# KiCad board PIR Movement sensor board with easyC_panel.kicad_pcb (continued)
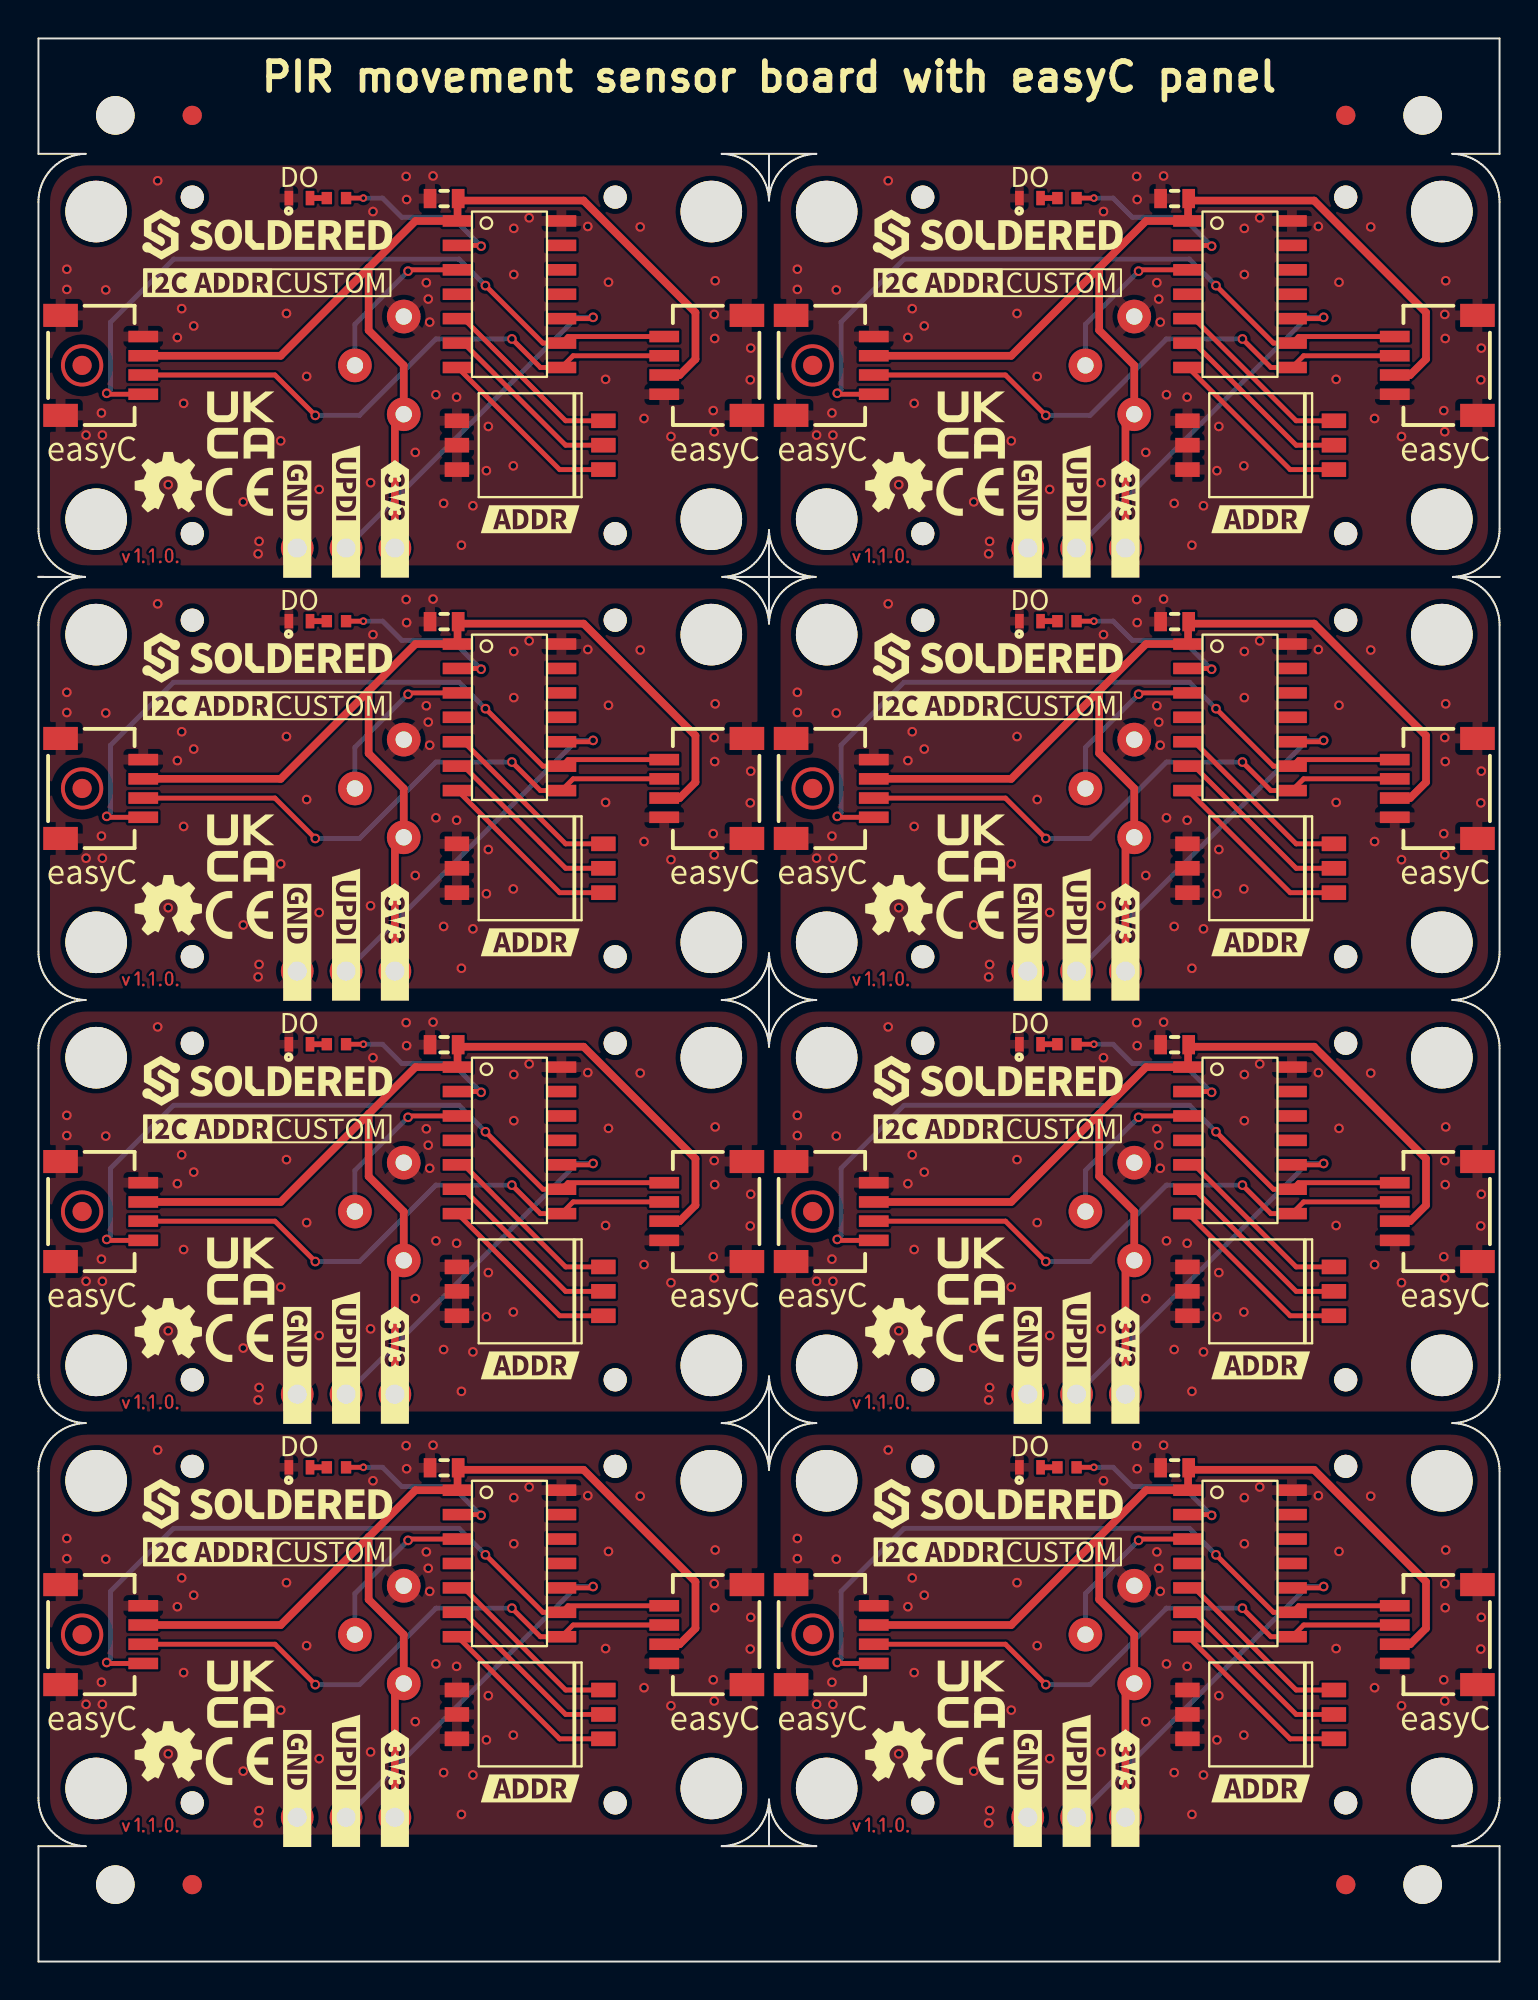
[diagram p0: board, top side]
## Placement (name value [footprint] x y rotation side) (continued)
REF**#32  Logo-Front-SolderedFULL-13mm  [Logo-Back-SolderedFULL-13mm]  43.3 83 270 top
REF**#33  -  [Fiducial]  68 96 0 top
REF**#34  -  [Logo-Front-UKCA-3.5mm]  48.53 57.9 0 top
REF**#35  Logo-Front-SolderedFULL-13mm  [Logo-Back-SolderedFULL-13mm]  5.3 39 270 top
REF**#36  -  [Logo-Front-CE-3.5mm]  10.45 32.43 0 top
REF**#37  Logo-Front-SolderedFULL-13mm  [Logo-Back-SolderedFULL-13mm]  5.3 83 270 top
REF**#38  Logo-Front-SolderedFULL-13mm  [Logo-Back-SolderedFULL-13mm]  43.3 39 270 top
REF**#39  -  [Fiducial]  8 96 0 top
REF**#40  -  [Logo-Front-CE-3.5mm]  10.45 10.42 0 top
REF**#41  -  [Fiducial]  68 4 0 bottom
REF**#42  -  [Fiducial]  8 96 0 bottom
REF**#43  Logo-Front-SolderedFULL-13mm  [Logo-Back-SolderedFULL-13mm]  11.9 89.8 180 bottom
REF**#44  Logo-Front-SolderedFULL-13mm  [Logo-Back-SolderedFULL-13mm]  11.9 23.8 180 bottom
REF**#45  Logo-Front-SolderedFULL-13mm  [Logo-Back-SolderedFULL-13mm]  11.9 45.8 180 bottom
REF**#46  Logo-Front-SolderedFULL-13mm  [Logo-Back-SolderedFULL-13mm]  11.9 67.8 180 bottom
REF**#47  Logo-Front-SolderedFULL-13mm  [Logo-Back-SolderedFULL-13mm]  49.9 67.8 180 bottom
REF**#48  -  [Fiducial]  8 4 0 bottom
REF**#49  Logo-Front-SolderedFULL-13mm  [Logo-Back-SolderedFULL-13mm]  49.9 23.8 180 bottom
REF**#50  Logo-Front-SolderedFULL-13mm  [Logo-Back-SolderedFULL-13mm]  49.9 89.8 180 bottom
REF**#51  -  [Fiducial]  68 96 0 bottom
REF**#52  Logo-Front-SolderedFULL-13mm  [Logo-Back-SolderedFULL-13mm]  49.9 45.8 180 bottom
U2  AM312  [PIR_senzor]  19 39 90 bottom
U2#2  AM312  [PIR_senzor]  57 39 90 bottom
U2#3  AM312  [PIR_senzor]  19 17 90 bottom
U2#4  AM312  [PIR_senzor]  57 83 90 bottom
U2#5  AM312  [PIR_senzor]  57 17 90 bottom
U2#6  AM312  [PIR_senzor]  57 61 90 bottom
U2#7  AM312  [PIR_senzor]  19 61 90 bottom
U2#8  AM312  [PIR_senzor]  19 83 90 bottom
U3  ATTINY404-SSNR  [SOIC-14]  62.5 20.7 0 top
U3#2  ATTINY404-SSNR  [SOIC-14]  62.5 86.7 0 top
U3#3  ATTINY404-SSNR  [SOIC-14]  24.5 42.7 0 top
U3#4  ATTINY404-SSNR  [SOIC-14]  62.5 42.7 0 top
U3#5  ATTINY404-SSNR  [SOIC-14]  24.5 86.7 0 top
U3#6  ATTINY404-SSNR  [SOIC-14]  62.5 64.7 0 top
U3#7  ATTINY404-SSNR  [SOIC-14]  24.5 64.7 0 top
U3#8  ATTINY404-SSNR  [SOIC-14]  24.5 20.7 0 top

## Library data of the parts
D1 D1#2-D1#8 = -: Package: 0402

## Footprints (pads in the part's own frame, mm; a bottom-side part is the same pattern mirrored in y, then rotated)
0402LED
  rect 0.45x0.75 smd: 1(0.55,0) 2(-0.55,0)
0402R
  rect 0.54x0.64 smd: 1(-0.5,0) 2(0.5,0)
0603C
  rect 0.66x1 smd: 1(-0.73,0) 2(0.73,0)
DSHP03TS-S
  rect 1.27x0.76 smd: 1(-3.81,1.27) 2(3.81,1.27) 3(-3.81,0) 4(3.81,0) 5(-3.81,-1.27) 6(3.81,-1.27)
easyC-connector
  rect 0.6x1.55 smd: 1(-1.5,-2.15) 2(-0.5,-2.15) 3(0.5,-2.15) 4(1.5,-2.15)
  rect 1.2x1.8 smd: 5(-2.6,2.15) 5(2.6,2.15)
Fiducial
  round 1 smd: (0,0)
FIDUCIAL_23
  round 1 smd: 1(0,0)
HEADER-UPDI
  round 1.7 hole 1: 1(-2.54,0) 2(0,0) 3(2.54,0)
HOLE_3.2mm
  round 3.2 hole 3.2 unplated: (0,0)
NPTH
  round 2 hole 2 unplated: (0,0)
PIR_senzor
  round 1.75 hole 0.85: 1(-2.54,0) 2(0,-2.54) 3(2.54,0)
PIR_senzor_kapica
  round 1.2 hole 1.2: (-8.75,-11) (-8.75,11) (8.75,-11) (8.75,11)
SOIC-14
  rect 1.55x0.6 smd: 1(-2.7,3.81) 2(-2.7,2.54) 3(-2.7,1.27) 4(-2.7,0) 5(-2.7,-1.27) 6(-2.7,-2.54) 7(-2.7,-3.81) 8(2.7,-3.81) 9(2.7,-2.54) 10(2.7,-1.27) 11(2.7,0) 12(2.7,1.27) 13(2.7,2.54) 14(2.7,3.81)

## Nets
Board_0-3V3: C3#7.1 K1#3.3 K2#2.1 K3#3.3 U2#8.1 U3#5.1
Board_0-ADD1: K4#8.1 U3#5.7
Board_0-ADD2: K4#8.3 U3#5.6
Board_0-ADD3: K4#8.5 U3#5.5
Board_0-D0: R1#7.1 U3#5.2
Board_0-GND: C3#7.2 D1#4.2 K1#3.4 K1#3.5 K2#2.3 K3#3.4 K3#3.5 K4#8.2 K4#8.4 K4#8.6 U2#8.3 U3#5.14
Board_0-Net-(D1-Pad1): D1#4.1 R1#7.2
Board_0-REL: U2#8.2 U3#5.3
Board_0-SCL: K1#3.1 K3#3.1 U3#5.9
Board_0-SDA: K1#3.2 K3#3.2 U3#5.8
Board_0-unconnected-(U3-Pad4): U3#5.4
Board_0-unconnected-(U3-Pad11): U3#5.11
Board_0-unconnected-(U3-Pad12): U3#5.12
Board_0-unconnected-(U3-Pad13): U3#5.13
Board_0-UPDI: K2#2.2 U3#5.10
Board_1-3V3: C3#8.1 K1#5.3 K2.1 K3#5.3 U2#4.1 U3#2.1
Board_1-ADD1: K4#5.1 U3#2.7
Board_1-ADD2: K4#5.3 U3#2.6
Board_1-ADD3: K4#5.5 U3#2.5
Board_1-D0: R1#6.1 U3#2.2
Board_1-GND: C3#8.2 D1#8.2 K1#5.4 K1#5.5 K2.3 K3#5.4 K3#5.5 K4#5.2 K4#5.4 K4#5.6 U2#4.3 U3#2.14
Board_1-Net-(D1-Pad1): D1#8.1 R1#6.2
Board_1-REL: U2#4.2 U3#2.3
Board_1-SCL: K1#5.1 K3#5.1 U3#2.9
Board_1-SDA: K1#5.2 K3#5.2 U3#2.8
Board_1-unconnected-(U3-Pad4): U3#2.4
Board_1-unconnected-(U3-Pad11): U3#2.11
Board_1-unconnected-(U3-Pad12): U3#2.12
Board_1-unconnected-(U3-Pad13): U3#2.13
Board_1-UPDI: K2.2 U3#2.10
Board_2-3V3: C3#4.1 K1#4.3 K2#3.1 K3#2.3 U2#7.1 U3#7.1
Board_2-ADD1: K4#4.1 U3#7.7
Board_2-ADD2: K4#4.3 U3#7.6
Board_2-ADD3: K4#4.5 U3#7.5
Board_2-D0: R1.1 U3#7.2
Board_2-GND: C3#4.2 D1#5.2 K1#4.4 K1#4.5 K2#3.3 K3#2.4 K3#2.5 K4#4.2 K4#4.4 K4#4.6 U2#7.3 U3#7.14
Board_2-Net-(D1-Pad1): D1#5.1 R1.2
Board_2-REL: U2#7.2 U3#7.3
Board_2-SCL: K1#4.1 K3#2.1 U3#7.9
Board_2-SDA: K1#4.2 K3#2.2 U3#7.8
Board_2-unconnected-(U3-Pad4): U3#7.4
Board_2-unconnected-(U3-Pad11): U3#7.11
Board_2-unconnected-(U3-Pad12): U3#7.12
Board_2-unconnected-(U3-Pad13): U3#7.13
Board_2-UPDI: K2#3.2 U3#7.10
Board_3-3V3: C3.1 K1#6.3 K2#5.1 K3#4.3 U2#6.1 U3#6.1
Board_3-ADD1: K4#2.1 U3#6.7
Board_3-ADD2: K4#2.3 U3#6.6
Board_3-ADD3: K4#2.5 U3#6.5
Board_3-D0: R1#8.1 U3#6.2
Board_3-GND: C3.2 D1#6.2 K1#6.4 K1#6.5 K2#5.3 K3#4.4 K3#4.5 K4#2.2 K4#2.4 K4#2.6 U2#6.3 U3#6.14
Board_3-Net-(D1-Pad1): D1#6.1 R1#8.2
Board_3-REL: U2#6.2 U3#6.3
Board_3-SCL: K1#6.1 K3#4.1 U3#6.9
Board_3-SDA: K1#6.2 K3#4.2 U3#6.8
Board_3-unconnected-(U3-Pad4): U3#6.4
Board_3-unconnected-(U3-Pad11): U3#6.11
Board_3-unconnected-(U3-Pad12): U3#6.12
Board_3-unconnected-(U3-Pad13): U3#6.13
Board_3-UPDI: K2#5.2 U3#6.10
Board_4-3V3: C3#3.1 K1#2.3 K2#4.1 K3#7.3 U2.1 U3#3.1
Board_4-ADD1: K4#6.1 U3#3.7
Board_4-ADD2: K4#6.3 U3#3.6
Board_4-ADD3: K4#6.5 U3#3.5
Board_4-D0: R1#2.1 U3#3.2
Board_4-GND: C3#3.2 D1#7.2 K1#2.4 K1#2.5 K2#4.3 K3#7.4 K3#7.5 K4#6.2 K4#6.4 K4#6.6 U2.3 U3#3.14
Board_4-Net-(D1-Pad1): D1#7.1 R1#2.2
Board_4-REL: U2.2 U3#3.3
Board_4-SCL: K1#2.1 K3#7.1 U3#3.9
Board_4-SDA: K1#2.2 K3#7.2 U3#3.8
Board_4-unconnected-(U3-Pad4): U3#3.4
Board_4-unconnected-(U3-Pad11): U3#3.11
Board_4-unconnected-(U3-Pad12): U3#3.12
Board_4-unconnected-(U3-Pad13): U3#3.13
Board_4-UPDI: K2#4.2 U3#3.10
Board_5-3V3: C3#2.1 K1#8.3 K2#6.1 K3#8.3 U2#2.1 U3#4.1
Board_5-ADD1: K4.1 U3#4.7
Board_5-ADD2: K4.3 U3#4.6
Board_5-ADD3: K4.5 U3#4.5
Board_5-D0: R1#3.1 U3#4.2
Board_5-GND: C3#2.2 D1.2 K1#8.4 K1#8.5 K2#6.3 K3#8.4 K3#8.5 K4.2 K4.4 K4.6 U2#2.3 U3#4.14
Board_5-Net-(D1-Pad1): D1.1 R1#3.2
Board_5-REL: U2#2.2 U3#4.3
Board_5-SCL: K1#8.1 K3#8.1 U3#4.9
Board_5-SDA: K1#8.2 K3#8.2 U3#4.8
Board_5-unconnected-(U3-Pad4): U3#4.4
Board_5-unconnected-(U3-Pad11): U3#4.11
Board_5-unconnected-(U3-Pad12): U3#4.12
Board_5-unconnected-(U3-Pad13): U3#4.13
Board_5-UPDI: K2#6.2 U3#4.10
Board_6-3V3: C3#6.1 K1.3 K2#7.1 K3#6.3 U2#3.1 U3#8.1
Board_6-ADD1: K4#3.1 U3#8.7
Board_6-ADD2: K4#3.3 U3#8.6
Board_6-ADD3: K4#3.5 U3#8.5
Board_6-D0: R1#4.1 U3#8.2
Board_6-GND: C3#6.2 D1#3.2 K1.4 K1.5 K2#7.3 K3#6.4 K3#6.5 K4#3.2 K4#3.4 K4#3.6 U2#3.3 U3#8.14
Board_6-Net-(D1-Pad1): D1#3.1 R1#4.2
Board_6-REL: U2#3.2 U3#8.3
Board_6-SCL: K1.1 K3#6.1 U3#8.9
Board_6-SDA: K1.2 K3#6.2 U3#8.8
Board_6-unconnected-(U3-Pad4): U3#8.4
Board_6-unconnected-(U3-Pad11): U3#8.11
Board_6-unconnected-(U3-Pad12): U3#8.12
Board_6-unconnected-(U3-Pad13): U3#8.13
Board_6-UPDI: K2#7.2 U3#8.10
Board_7-3V3: C3#5.1 K1#7.3 K2#8.1 K3.3 U2#5.1 U3.1
Board_7-ADD1: K4#7.1 U3.7
Board_7-ADD2: K4#7.3 U3.6
Board_7-ADD3: K4#7.5 U3.5
Board_7-D0: R1#5.1 U3.2
Board_7-GND: C3#5.2 D1#2.2 K1#7.4 K1#7.5 K2#8.3 K3.4 K3.5 K4#7.2 K4#7.4 K4#7.6 U2#5.3 U3.14
Board_7-Net-(D1-Pad1): D1#2.1 R1#5.2
Board_7-REL: U2#5.2 U3.3
Board_7-SCL: K1#7.1 K3.1 U3.9
Board_7-SDA: K1#7.2 K3.2 U3.8
Board_7-unconnected-(U3-Pad4): U3.4
Board_7-unconnected-(U3-Pad11): U3.11
Board_7-unconnected-(U3-Pad12): U3.12
Board_7-unconnected-(U3-Pad13): U3.13
Board_7-UPDI: K2#8.2 U3.10

Pads without a net: FD1 1; FD1#2 1; FD1#3 1; FD1#4 1; FD1#5 1; FD1#6 1; FD1#7 1; FD1#8 1

## Via types
v1: diameter 0.5, hole 0.3, Top to Bottom, 472 vias
v2: diameter 0.4, hole 0.2, Top to Bottom, 8 vias

## Routing (per net, layer and track width the routed paths; a pad name or vN(x,y) marks a point on that pad's centre or on a via; arc(x,y) is an arc through that point)
Board_0-3V3: length 55.1
  Top w0.4: 17.18,88.08 17.18,84.83 19,83 U2#8.1 18.54,80 K2#2.1 ; 17.18,88.08 19.61,90.51 U3#5.1 21.8,91.65 C3#7.1 21.94,91.57 28.36,91.57 34.18,85.75 34.18,83.33 33.35,82.5 K1#3.3 ; 17.18,88.08 12.6,83.5 K3#3.3
Board_0-ADD1: length 9.8
  Top w0.254: U3#5.7 27.11,77.58 K4#8.1
Board_0-ADD2: length 9.8
  Top w0.254: U3#5.6 22.11,84.16 27.42,78.85 K4#8.3
Board_0-ADD3: length 9.8
  Top w0.254: K4#8.5 27.42,80.12 22.11,85.43 U3#5.5
Board_0-D0: length 9.4
  Top w0.254: U3#5.2 22.99,89.24 v1(23.03,89.2) ; v2(16.9,91.7) R1#7.1
  Bottom w0.254: 23.13,89.3 v1(23.03,89.2) 21.53,90.7 18.9,90.7 17.9,91.7 v2(16.9,91.7)
Board_0-GND:
  vias: v1(1.48,88) v1(1.48,86.95) v1(2.48,79.38) v1(3.28,80.53) v1(3.33,79.38) v1(3.5,86.93) v1(6.2,92.6) v1(6.75,76.8) v1(7.23,84.45) v1(7.45,85.95) v1(7.55,81.03) v1(8.08,85.05) v1(10.65,75.9) v1(11.43,73.2) v1(11.48,73.85) v1(12.6,79.08) v1(12.9,85.7) v1(13.95,82.43) v1(14.6,76.55) v1(17.28,76.9) v1(17.4,91) v1(19.13,92.83) v1(19.15,91.63) v1(19.6,78.48) v1(20.18,87.3) v1(20.28,86.45) v1(20.35,85.25) v1(20.53,92.85) v1(20.68,81.48) v1(21.08,75.83) v1(21.75,81.35) v1(22,73.65) v1(22.6,75.7) v1(23.3,77.53) v1(23.4,79.83) v1(24.73,90.13) v1(24.73,87.73) v1(24.7,77.78) v1(25.53,90.68) v1(28.58,90.23) v1(29.5,82.28) v1(29.65,87.33) v1(31.3,90.2) v1(31.5,80.24) v1(32.9,79.3) v1(35.15,85.65) v1(35.1,80.65) v1(35.15,79.55) v1(35.2,87.4) v1(35.18,84.4) v1(37.05,83.9) v1(37.03,82.25)
Board_0-Net-(D1-Pad1): length 0.9
  Top w0.3: D1#4.1 R1#7.2
Board_0-REL: length 8.6
  Top w0.254: v1(19.23,87.9) 19.3,87.97 U3#5.3
  Bottom w0.254: v1(19.23,87.9) 16.46,85.14 U2#8.2
Board_0-SCL: length 37.8
  Top w0.254: K1#3.1 27.54,84.5 U3#5.9 26.24,84.16 v1(23.25,87.15) ; K3#3.1 3.6,81.5 v1(3.55,81.55)
  Bottom w0.254: v1(23.25,87.15) 21.88,88.53 7.03,88.53 3.75,85.25 3.75,81.75 v1(3.55,81.55)
Board_0-SDA: length 30.5
  Top w0.254: K1#3.2 27.81,83.5 U3#5.8 26.11,82.89 v1(24.63,84.38) ; v1(14.4,80.4) 12.3,82.5 K3#3.2
  Bottom w0.254: v1(24.63,84.38) 20.68,84.38 16.7,80.4 v1(14.4,80.4)
Board_0-UPDI: length 19.5
  Top w0.254: U3#5.10 28.78,85.43 v1(28.85,85.5)
  Bottom w0.254: v1(28.85,85.5) 28,85.5 K2#2.2
Board_1-3V3: length 55.1
  Top w0.4: K3#5.3 50.6,83.5 55.18,88.08 ; 55.18,88.08 55.18,84.83 57,83 U2#4.1 56.54,80 K2.1 ; 55.18,88.08 57.61,90.51 U3#2.1 59.8,91.65 C3#8.1 59.94,91.57 66.36,91.57 72.18,85.75 72.18,83.33 71.35,82.5 K1#5.3
Board_1-ADD1: length 9.8
  Top w0.254: U3#2.7 65.11,77.58 K4#5.1
Board_1-ADD2: length 9.8
  Top w0.254: U3#2.6 60.11,84.16 65.42,78.85 K4#5.3
Board_1-ADD3: length 9.8
  Top w0.254: U3#2.5 60.11,85.43 65.42,80.12 K4#5.5
Board_1-D0: length 9.4
  Top w0.254: v1(61.03,89.2) 60.99,89.24 U3#2.2 ; v2(54.9,91.7) R1#6.1
  Bottom w0.254: v2(54.9,91.7) 55.9,91.7 56.9,90.7 59.53,90.7 v1(61.03,89.2) 61.13,89.3
Board_1-GND:
  vias: v1(39.48,88) v1(39.48,86.95) v1(40.48,79.38) v1(41.28,80.53) v1(41.33,79.38) v1(41.5,86.93) v1(44.2,92.6) v1(44.75,76.8) v1(45.23,84.45) v1(45.45,85.95) v1(45.55,81.03) v1(46.08,85.05) v1(48.65,75.9) v1(49.43,73.2) v1(49.48,73.85) v1(50.6,79.08) v1(50.9,85.7) v1(51.95,82.43) v1(52.6,76.55) v1(55.28,76.9) v1(55.4,91) v1(57.13,92.83) v1(57.15,91.63) v1(57.6,78.48) v1(58.18,87.3) v1(58.28,86.45) v1(58.35,85.25) v1(58.53,92.85) v1(58.68,81.48) v1(59.08,75.83) v1(59.75,81.35) v1(60,73.65) v1(60.6,75.7) v1(61.3,77.53) v1(61.4,79.83) v1(62.73,90.13) v1(62.73,87.73) v1(62.7,77.78) v1(63.53,90.68) v1(66.58,90.23) v1(67.5,82.28) v1(67.65,87.33) v1(69.3,90.2) v1(69.5,80.24) v1(70.9,79.3) v1(73.1,80.65) v1(73.2,87.4) v1(73.15,85.65) v1(73.18,84.4) v1(73.15,79.55) v1(75.03,82.25) v1(75.05,83.9)
Board_1-Net-(D1-Pad1): length 0.9
  Top w0.3: D1#8.1 R1#6.2
Board_1-REL: length 8.6
  Top w0.254: U3#2.3 57.3,87.97 v1(57.23,87.9)
  Bottom w0.254: v1(57.23,87.9) 54.46,85.14 U2#4.2
Board_1-SCL: length 37.8
  Top w0.254: v1(41.55,81.55) 41.6,81.5 K3#5.1 ; K1#5.1 65.54,84.5 U3#2.9 64.24,84.16 v1(61.25,87.15)
  Bottom w0.254: v1(41.55,81.55) 41.75,81.75 41.75,85.25 45.03,88.53 59.88,88.53 v1(61.25,87.15)
Board_1-SDA: length 30.5
  Top w0.254: K3#5.2 50.3,82.5 v1(52.4,80.4) ; v1(62.63,84.38) 64.11,82.89 U3#2.8 65.81,83.5 K1#5.2
  Bottom w0.254: v1(52.4,80.4) 54.7,80.4 58.68,84.38 v1(62.63,84.38)
Board_1-UPDI: length 19.5
  Top w0.254: v1(66.85,85.5) 66.78,85.43 U3#2.10
  Bottom w0.254: v1(66.85,85.5) 66,85.5 K2.2
Board_2-3V3: length 55.1
  Top w0.4: 17.18,66.08 12.6,61.5 K3#2.3 ; 17.18,66.08 19.61,68.51 U3#7.1 21.8,69.65 C3#4.1 21.94,69.57 28.36,69.57 34.18,63.75 34.18,61.33 33.35,60.5 K1#4.3 ; 17.18,66.08 17.18,62.83 19,61 U2#7.1 18.54,58 K2#3.1
Board_2-ADD1: length 9.8
  Top w0.254: K4#4.1 27.11,55.58 U3#7.7
Board_2-ADD2: length 9.8
  Top w0.254: K4#4.3 27.42,56.85 22.11,62.16 U3#7.6
Board_2-ADD3: length 9.8
  Top w0.254: U3#7.5 22.11,63.43 27.42,58.12 K4#4.5
Board_2-D0: length 9.4
  Top w0.254: v1(23.03,67.2) 22.99,67.24 U3#7.2 ; v2(16.9,69.7) R1.1
  Bottom w0.254: 23.13,67.3 v1(23.03,67.2) 21.53,68.7 18.9,68.7 17.9,69.7 v2(16.9,69.7)
Board_2-GND:
  vias: v1(1.48,66) v1(1.48,64.95) v1(2.48,57.38) v1(3.28,58.53) v1(3.33,57.38) v1(3.5,64.93) v1(6.2,70.6) v1(6.75,54.8) v1(7.23,62.45) v1(7.45,63.95) v1(7.55,59.03) v1(8.08,63.05) v1(10.65,53.9) v1(11.43,51.2) v1(11.48,51.85) v1(12.6,57.08) v1(12.9,63.7) v1(13.95,60.43) v1(14.6,54.55) v1(17.28,54.9) v1(17.4,69) v1(19.13,70.83) v1(19.15,69.63) v1(19.6,56.48) v1(20.18,65.3) v1(20.28,64.45) v1(20.35,63.25) v1(20.53,70.85) v1(20.68,59.48) v1(21.08,53.83) v1(21.75,59.35) v1(22,51.65) v1(22.6,53.7) v1(23.3,55.53) v1(23.4,57.83) v1(24.73,68.13) v1(24.73,65.73) v1(24.7,55.78) v1(25.53,68.68) v1(28.58,68.23) v1(29.5,60.28) v1(29.65,65.33) v1(31.3,68.2) v1(31.5,58.24) v1(32.9,57.3) v1(35.15,63.65) v1(35.1,58.65) v1(35.15,57.55) v1(35.2,65.4) v1(35.18,62.4) v1(37.05,61.9) v1(37.03,60.25)
Board_2-Net-(D1-Pad1): length 0.9
  Top w0.3: D1#5.1 R1.2
Board_2-REL: length 8.6
  Top w0.254: U3#7.3 19.3,65.97 v1(19.23,65.9)
  Bottom w0.254: v1(19.23,65.9) 16.46,63.14 U2#7.2
Board_2-SCL: length 37.8
  Top w0.254: K3#2.1 3.6,59.5 v1(3.55,59.55) ; K1#4.1 27.54,62.5 U3#7.9 26.24,62.16 v1(23.25,65.15)
  Bottom w0.254: v1(3.55,59.55) 3.75,59.75 3.75,63.25 7.03,66.53 21.88,66.53 v1(23.25,65.15)
Board_2-SDA: length 30.5
  Top w0.254: v1(14.4,58.4) 12.3,60.5 K3#2.2 ; v1(24.63,62.38) 26.11,60.89 U3#7.8 27.81,61.5 K1#4.2
  Bottom w0.254: v1(24.63,62.38) 20.68,62.38 16.7,58.4 v1(14.4,58.4)
Board_2-UPDI: length 19.5
  Top w0.254: v1(28.85,63.5) 28.78,63.43 U3#7.10
  Bottom w0.254: v1(28.85,63.5) 28,63.5 K2#3.2
Board_3-3V3: length 55.1
  Top w0.4: 55.18,66.08 57.61,68.51 U3#6.1 59.8,69.65 C3.1 59.94,69.57 66.36,69.57 72.18,63.75 72.18,61.33 71.35,60.5 K1#6.3 ; 55.18,66.08 50.6,61.5 K3#4.3 ; 55.18,66.08 55.18,62.83 57,61 U2#6.1 56.54,58 K2#5.1
Board_3-ADD1: length 9.8
  Top w0.254: K4#2.1 65.11,55.58 U3#6.7
Board_3-ADD2: length 9.8
  Top w0.254: K4#2.3 65.42,56.85 60.11,62.16 U3#6.6
Board_3-ADD3: length 9.8
  Top w0.254: U3#6.5 60.11,63.43 65.42,58.12 K4#2.5
Board_3-D0: length 9.4
  Top w0.254: v2(54.9,69.7) R1#8.1 ; v1(61.03,67.2) 60.99,67.24 U3#6.2
  Bottom w0.254: 61.13,67.3 v1(61.03,67.2) 59.53,68.7 56.9,68.7 55.9,69.7 v2(54.9,69.7)
Board_3-GND:
  vias: v1(39.48,66) v1(39.48,64.95) v1(40.48,57.38) v1(41.28,58.53) v1(41.33,57.38) v1(41.5,64.93) v1(44.2,70.6) v1(44.75,54.8) v1(45.23,62.45) v1(45.45,63.95) v1(45.55,59.03) v1(46.08,63.05) v1(48.65,53.9) v1(49.43,51.2) v1(49.48,51.85) v1(50.6,57.08) v1(50.9,63.7) v1(51.95,60.43) v1(52.6,54.55) v1(55.28,54.9) v1(55.4,69) v1(57.13,70.83) v1(57.15,69.63) v1(57.6,56.48) v1(58.18,65.3) v1(58.28,64.45) v1(58.35,63.25) v1(58.53,70.85) v1(58.68,59.48) v1(59.08,53.83) v1(59.75,59.35) v1(60,51.65) v1(60.6,53.7) v1(61.3,55.53) v1(61.4,57.83) v1(62.73,68.13) v1(62.73,65.73) v1(62.7,55.78) v1(63.53,68.68) v1(66.58,68.23) v1(67.5,60.28) v1(67.65,65.33) v1(69.3,68.2) v1(69.5,58.24) v1(70.9,57.3) v1(73.1,58.65) v1(73.2,65.4) v1(73.15,63.65) v1(73.18,62.4) v1(73.15,57.55) v1(75.03,60.25) v1(75.05,61.9)
Board_3-Net-(D1-Pad1): length 0.9
  Top w0.3: D1#6.1 R1#8.2
Board_3-REL: length 8.6
  Top w0.254: U3#6.3 57.3,65.97 v1(57.23,65.9)
  Bottom w0.254: v1(57.23,65.9) 54.46,63.14 U2#6.2
Board_3-SCL: length 37.8
  Top w0.254: v1(41.55,59.55) 41.6,59.5 K3#4.1 ; v1(61.25,65.15) 64.24,62.16 U3#6.9 65.54,62.5 K1#6.1
  Bottom w0.254: v1(61.25,65.15) 59.88,66.53 45.03,66.53 41.75,63.25 41.75,59.75 v1(41.55,59.55)
Board_3-SDA: length 30.5
  Top w0.254: v1(62.63,62.38) 64.11,60.89 U3#6.8 65.81,61.5 K1#6.2 ; K3#4.2 50.3,60.5 v1(52.4,58.4)
  Bottom w0.254: v1(62.63,62.38) 58.68,62.38 54.7,58.4 v1(52.4,58.4)
Board_3-UPDI: length 19.5
  Top w0.254: U3#6.10 66.78,63.43 v1(66.85,63.5)
  Bottom w0.254: v1(66.85,63.5) 66,63.5 K2#5.2
Board_4-3V3: length 55.1
  Top w0.4: K3#7.3 12.6,39.5 17.18,44.08 ; 17.18,44.08 17.18,40.83 19,39 U2.1 18.54,36 K2#4.1 ; 17.18,44.08 19.61,46.51 U3#3.1 21.8,47.65 C3#3.1 21.94,47.57 28.36,47.57 34.18,41.75 34.18,39.33 33.35,38.5 K1#2.3
Board_4-ADD1: length 9.8
  Top w0.254: U3#3.7 27.11,33.58 K4#6.1
Board_4-ADD2: length 9.8
  Top w0.254: U3#3.6 22.11,40.16 27.42,34.85 K4#6.3
Board_4-ADD3: length 9.8
  Top w0.254: K4#6.5 27.42,36.12 22.11,41.43 U3#3.5
Board_4-D0: length 9.4
  Top w0.254: U3#3.2 22.99,45.24 v1(23.03,45.2) ; v2(16.9,47.7) R1#2.1
  Bottom w0.254: v2(16.9,47.7) 17.9,47.7 18.9,46.7 21.53,46.7 v1(23.03,45.2) 23.13,45.3
Board_4-GND:
  vias: v1(1.48,44) v1(1.48,42.95) v1(2.48,35.38) v1(3.28,36.53) v1(3.33,35.38) v1(3.5,42.93) v1(6.2,48.6) v1(6.75,32.8) v1(7.23,40.45) v1(7.45,41.95) v1(7.55,37.03) v1(8.08,41.05) v1(10.65,31.9) v1(11.43,29.2) v1(11.48,29.85) v1(12.6,35.08) v1(12.9,41.7) v1(13.95,38.43) v1(14.6,32.55) v1(17.28,32.9) v1(17.4,47) v1(19.13,48.83) v1(19.15,47.63) v1(19.6,34.48) v1(20.18,43.3) v1(20.28,42.45) v1(20.35,41.25) v1(20.53,48.85) v1(20.68,37.48) v1(21.08,31.83) v1(21.75,37.35) v1(22,29.65) v1(22.6,31.7) v1(23.3,33.53) v1(23.4,35.83) v1(24.73,46.13) v1(24.73,43.73) v1(24.7,33.78) v1(25.53,46.68) v1(28.58,46.23) v1(29.5,38.28) v1(29.65,43.33) v1(31.3,46.2) v1(31.5,36.24) v1(32.9,35.3) v1(35.15,41.65) v1(35.1,36.65) v1(35.15,35.55) v1(35.2,43.4) v1(35.18,40.4) v1(37.05,39.9) v1(37.03,38.25)
Board_4-Net-(D1-Pad1): length 0.9
  Top w0.3: D1#7.1 R1#2.2
Board_4-REL: length 8.6
  Top w0.254: v1(19.23,43.9) 19.3,43.97 U3#3.3
  Bottom w0.254: v1(19.23,43.9) 16.46,41.14 U2.2
Board_4-SCL: length 37.8
  Top w0.254: v1(3.55,37.55) 3.6,37.5 K3#7.1 ; K1#2.1 27.54,40.5 U3#3.9 26.24,40.16 v1(23.25,43.15)
  Bottom w0.254: v1(3.55,37.55) 3.75,37.75 3.75,41.25 7.03,44.53 21.88,44.53 v1(23.25,43.15)
Board_4-SDA: length 30.5
  Top w0.254: v1(14.4,36.4) 12.3,38.5 K3#7.2 ; K1#2.2 27.81,39.5 U3#3.8 26.11,38.89 v1(24.63,40.38)
  Bottom w0.254: v1(24.63,40.38) 20.68,40.38 16.7,36.4 v1(14.4,36.4)
Board_4-UPDI: length 19.5
  Top w0.254: U3#3.10 28.78,41.43 v1(28.85,41.5)
  Bottom w0.254: v1(28.85,41.5) 28,41.5 K2#4.2
Board_5-3V3: length 55.1
  Top w0.4: 55.18,44.08 50.6,39.5 K3#8.3 ; 55.18,44.08 57.61,46.51 U3#4.1 59.8,47.65 C3#2.1 59.94,47.57 66.36,47.57 72.18,41.75 72.18,39.33 71.35,38.5 K1#8.3 ; 55.18,44.08 55.18,40.83 57,39 U2#2.1 56.54,36 K2#6.1
Board_5-ADD1: length 9.8
  Top w0.254: U3#4.7 65.11,33.58 K4.1
Board_5-ADD2: length 9.8
  Top w0.254: U3#4.6 60.11,40.16 65.42,34.85 K4.3
Board_5-ADD3: length 9.8
  Top w0.254: K4.5 65.42,36.12 60.11,41.43 U3#4.5
Board_5-D0: length 9.4
  Top w0.254: v2(54.9,47.7) R1#3.1 ; U3#4.2 60.99,45.24 v1(61.03,45.2)
  Bottom w0.254: v2(54.9,47.7) 55.9,47.7 56.9,46.7 59.53,46.7 v1(61.03,45.2) 61.13,45.3
Board_5-GND:
  vias: v1(39.48,44) v1(39.48,42.95) v1(40.48,35.38) v1(41.28,36.53) v1(41.33,35.38) v1(41.5,42.93) v1(44.2,48.6) v1(44.75,32.8) v1(45.23,40.45) v1(45.45,41.95) v1(45.55,37.03) v1(46.08,41.05) v1(48.65,31.9) v1(49.43,29.2) v1(49.48,29.85) v1(50.6,35.08) v1(50.9,41.7) v1(51.95,38.43) v1(52.6,32.55) v1(55.28,32.9) v1(55.4,47) v1(57.13,48.83) v1(57.15,47.63) v1(57.6,34.48) v1(58.18,43.3) v1(58.28,42.45) v1(58.35,41.25) v1(58.53,48.85) v1(58.68,37.48) v1(59.08,31.83) v1(59.75,37.35) v1(60,29.65) v1(60.6,31.7) v1(61.3,33.53) v1(61.4,35.83) v1(62.73,46.13) v1(62.73,43.73) v1(62.7,33.78) v1(63.53,46.68) v1(66.58,46.23) v1(67.5,38.28) v1(67.65,43.33) v1(69.3,46.2) v1(69.5,36.24) v1(70.9,35.3) v1(73.1,36.65) v1(73.2,43.4) v1(73.15,41.65) v1(73.18,40.4) v1(73.15,35.55) v1(75.03,38.25) v1(75.05,39.9)
Board_5-Net-(D1-Pad1): length 0.9
  Top w0.3: D1.1 R1#3.2
Board_5-REL: length 8.6
  Top w0.254: v1(57.23,43.9) 57.3,43.97 U3#4.3
  Bottom w0.254: v1(57.23,43.9) 54.46,41.14 U2#2.2
Board_5-SCL: length 37.8
  Top w0.254: v1(61.25,43.15) 64.24,40.16 U3#4.9 65.54,40.5 K1#8.1 ; K3#8.1 41.6,37.5 v1(41.55,37.55)
  Bottom w0.254: v1(61.25,43.15) 59.88,44.53 45.03,44.53 41.75,41.25 41.75,37.75 v1(41.55,37.55)
Board_5-SDA: length 30.5
  Top w0.254: v1(62.63,40.38) 64.11,38.89 U3#4.8 65.81,39.5 K1#8.2 ; v1(52.4,36.4) 50.3,38.5 K3#8.2
  Bottom w0.254: v1(52.4,36.4) 54.7,36.4 58.68,40.38 v1(62.63,40.38)
Board_5-UPDI: length 19.5
  Top w0.254: U3#4.10 66.78,41.43 v1(66.85,41.5)
  Bottom w0.254: v1(66.85,41.5) 66,41.5 K2#6.2
Board_6-3V3: length 55.1
  Top w0.4: K3#6.3 12.6,17.5 17.18,22.07 ; K1.3 33.35,16.5 34.18,17.32 34.18,19.75 28.36,25.57 21.94,25.57 C3#6.1 21.8,25.64 U3#8.1 19.61,24.51 17.18,22.07 ; 17.18,22.07 17.18,18.82 19,17 U2#3.1 18.54,14 K2#7.1
Board_6-ADD1: length 9.8
  Top w0.254: U3#8.7 27.11,11.58 K4#3.1
Board_6-ADD2: length 9.8
  Top w0.254: U3#8.6 22.11,18.16 27.42,12.85 K4#3.3
Board_6-ADD3: length 9.8
  Top w0.254: U3#8.5 22.11,19.43 27.42,14.12 K4#3.5
Board_6-D0: length 9.4
  Top w0.254: v2(16.9,25.7) R1#4.1 ; v1(23.03,23.2) 22.99,23.24 U3#8.2
  Bottom w0.254: v2(16.9,25.7) 17.9,25.7 18.9,24.7 21.53,24.7 v1(23.03,23.2) 23.13,23.3
Board_6-GND:
  vias: v1(1.48,22) v1(1.48,20.95) v1(2.48,13.38) v1(3.28,14.52) v1(3.33,13.38) v1(3.5,20.92) v1(6.2,26.6) v1(6.75,10.8) v1(7.23,18.45) v1(7.45,19.95) v1(7.55,15.02) v1(8.08,19.05) v1(10.65,9.9) v1(11.43,7.2) v1(11.48,7.85) v1(12.6,13.07) v1(12.9,19.7) v1(13.95,16.42) v1(14.6,10.55) v1(17.28,10.9) v1(17.4,25) v1(19.13,26.82) v1(19.15,25.62) v1(19.6,12.47) v1(20.18,21.3) v1(20.28,20.45) v1(20.35,19.25) v1(20.53,26.85) v1(20.68,15.47) v1(21.08,9.82) v1(21.75,15.35) v1(22,7.65) v1(22.6,9.7) v1(23.3,11.52) v1(23.4,13.82) v1(24.73,24.12) v1(24.73,21.72) v1(24.7,11.77) v1(25.53,24.67) v1(28.58,24.22) v1(29.5,16.27) v1(29.65,21.32) v1(31.3,24.2) v1(31.5,14.24) v1(32.9,13.3) v1(35.15,19.65) v1(35.1,14.65) v1(35.15,13.55) v1(35.2,21.4) v1(35.18,18.4) v1(37.05,17.9) v1(37.03,16.25)
Board_6-Net-(D1-Pad1): length 0.9
  Top w0.3: D1#3.1 R1#4.2
Board_6-REL: length 8.6
  Top w0.254: U3#8.3 19.3,21.97 v1(19.23,21.9)
  Bottom w0.254: v1(19.23,21.9) 16.46,19.13 U2#3.2
Board_6-SCL: length 37.8
  Top w0.254: v1(23.25,21.15) 26.24,18.16 U3#8.9 27.54,18.5 K1.1 ; v1(3.55,15.55) 3.6,15.5 K3#6.1
  Bottom w0.254: v1(3.55,15.55) 3.75,15.75 3.75,19.25 7.03,22.52 21.88,22.52 v1(23.25,21.15)
Board_6-SDA: length 30.5
  Top w0.254: v1(14.4,14.4) 12.3,16.5 K3#6.2 ; v1(24.63,18.38) 26.11,16.89 U3#8.8 27.81,17.5 K1.2
  Bottom w0.254: v1(14.4,14.4) 16.7,14.4 20.68,18.38 v1(24.63,18.38)
Board_6-UPDI: length 19.5
  Top w0.254: U3#8.10 28.78,19.43 v1(28.85,19.5)
  Bottom w0.254: v1(28.85,19.5) 28,19.5 K2#7.2
Board_7-3V3: length 55.1
  Top w0.4: 55.18,22.07 50.6,17.5 K3.3 ; 55.18,22.07 55.18,18.82 57,17 U2#5.1 56.54,14 K2#8.1 ; 55.18,22.07 57.61,24.51 U3.1 59.8,25.64 C3#5.1 59.94,25.57 66.36,25.57 72.18,19.75 72.18,17.32 71.35,16.5 K1#7.3
Board_7-ADD1: length 9.8
  Top w0.254: K4#7.1 65.11,11.58 U3.7
Board_7-ADD2: length 9.8
  Top w0.254: K4#7.3 65.42,12.85 60.11,18.16 U3.6
Board_7-ADD3: length 9.8
  Top w0.254: K4#7.5 65.42,14.12 60.11,19.43 U3.5
Board_7-D0: length 9.4
  Top w0.254: U3.2 60.99,23.24 v1(61.03,23.2) ; v2(54.9,25.7) R1#5.1
  Bottom w0.254: 61.13,23.3 v1(61.03,23.2) 59.53,24.7 56.9,24.7 55.9,25.7 v2(54.9,25.7)
Board_7-GND:
  vias: v1(39.48,22) v1(39.48,20.95) v1(40.48,13.38) v1(41.28,14.52) v1(41.33,13.38) v1(41.5,20.92) v1(44.2,26.6) v1(44.75,10.8) v1(45.23,18.45) v1(45.45,19.95) v1(45.55,15.02) v1(46.08,19.05) v1(48.65,9.9) v1(49.43,7.2) v1(49.48,7.85) v1(50.6,13.07) v1(50.9,19.7) v1(51.95,16.42) v1(52.6,10.55) v1(55.28,10.9) v1(55.4,25) v1(57.13,26.82) v1(57.15,25.62) v1(57.6,12.47) v1(58.18,21.3) v1(58.28,20.45) v1(58.35,19.25) v1(58.53,26.85) v1(58.68,15.47) v1(59.08,9.82) v1(59.75,15.35) v1(60,7.65) v1(60.6,9.7) v1(61.3,11.52) v1(61.4,13.82) v1(62.73,24.12) v1(62.73,21.72) v1(62.7,11.77) v1(63.53,24.67) v1(66.58,24.22) v1(67.5,16.27) v1(67.65,21.32) v1(69.3,24.2) v1(69.5,14.24) v1(70.9,13.3) v1(73.1,14.65) v1(73.2,21.4) v1(73.15,19.65) v1(73.18,18.4) v1(73.15,13.55) v1(75.03,16.25) v1(75.05,17.9)
Board_7-Net-(D1-Pad1): length 0.9
  Top w0.3: D1#2.1 R1#5.2
Board_7-REL: length 8.6
  Top w0.254: U3.3 57.3,21.97 v1(57.23,21.9)
  Bottom w0.254: U2#5.2 54.46,19.13 v1(57.23,21.9)
Board_7-SCL: length 37.8
  Top w0.254: K3.1 41.6,15.5 v1(41.55,15.55) ; K1#7.1 65.54,18.5 U3.9 64.24,18.16 v1(61.25,21.15)
  Bottom w0.254: v1(41.55,15.55) 41.75,15.75 41.75,19.25 45.03,22.52 59.88,22.52 v1(61.25,21.15)
Board_7-SDA: length 30.5
  Top w0.254: K3.2 50.3,16.5 v1(52.4,14.4) ; v1(62.63,18.38) 64.11,16.89 U3.8 65.81,17.5 K1#7.2
  Bottom w0.254: v1(52.4,14.4) 54.7,14.4 58.68,18.38 v1(62.63,18.38)
Board_7-UPDI: length 19.5
  Top w0.254: U3.10 66.78,19.43 v1(66.85,19.5)
  Bottom w0.254: K2#8.2 66,19.5 v1(66.85,19.5)

## Copper pours and planes (outline as drawn; the poured copper is in the pictures)
Board_0-GND on Top, Bottom: 38,72 0,72 0,94 38,94
Board_1-GND on Top, Bottom: 76,72 38,72 38,94 76,94
Board_2-GND on Top, Bottom: 38,50 0,50 0,72 38,72
Board_3-GND on Top, Bottom: 76,50 38,50 38,72 76,72
Board_4-GND on Top, Bottom: 38,28 0,28 0,50 38,50
Board_5-GND on Top, Bottom: 76,28 38,28 38,50 76,50
Board_6-GND on Top, Bottom: 38,6 0,6 0,28 38,28
Board_7-GND on Top, Bottom: 76,6 38,6 38,28 76,28

## Text on the board
F.Silkscreen: PIR movement sensor board with easyC panel
User.8: V-CUT
